# Altium PCB MotorDriverV2.PcbDoc (part 1 of 2) (continued)
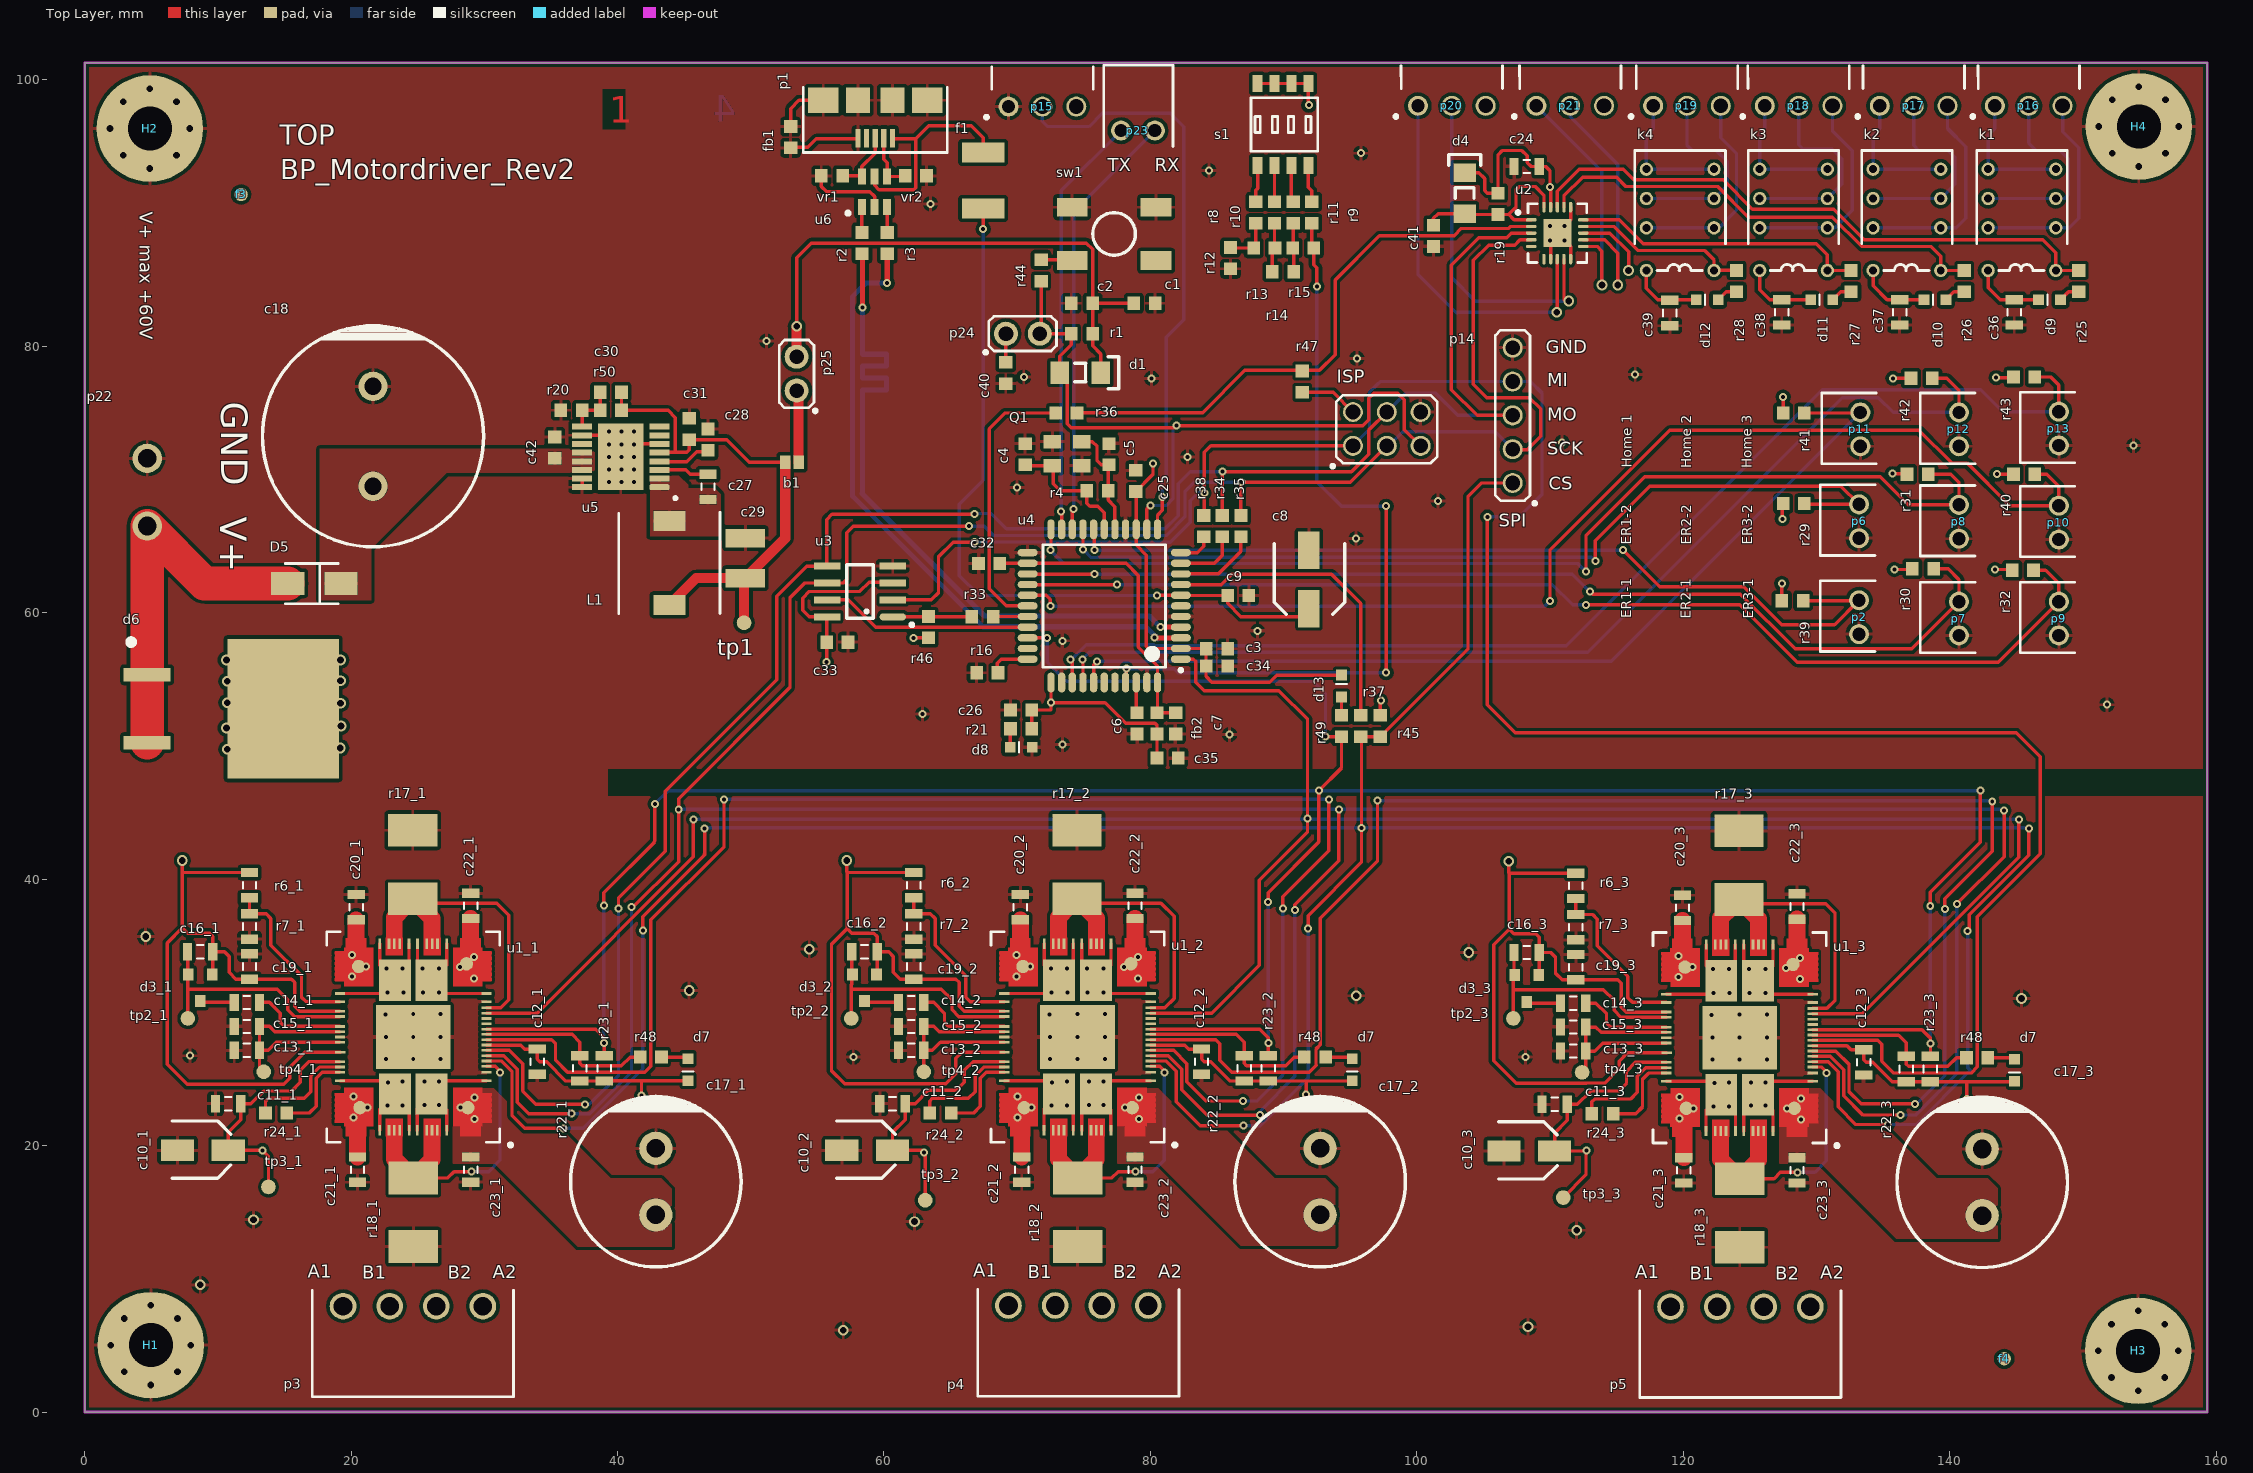
[diagram p0: Top Layer view]
## Components (designator, comment, footprint, x,y, rotation, side; value= is the part's Value field where it differs from the comment)
b1 "Solder Bridge" "Solder Bridge" 53.1,71.3 r0 top locked
c1 "100nF" 0603 79.564,83.237 r0 top locked
c2 "100nF" 0603 74.865,83.237 r180 top locked
c3 "1µF" 0603 85,57.3 r0 top locked
c4 "22pF" 0603 70.6,71.9 r90 top locked
c5 "22pF" 0603 76.9,71.9 r90 top locked
c6 "100nF" 0603 79,51.7 r90 top locked
c7 "100nF" 0603 81.9,51.7 r270 top locked
c8 "10u" Elco-C 91.9,62.5 r270 top locked
c9 "100nF" 0603 86.6,61.3 r0 top locked
c10_1 "22µ" Elco-B 8.88,19.65 r0 top locked (schematic designator c10)
c10_2 "22µ" Elco-B 58.746,19.65 r0 top locked (schematic designator c10)
c10_3 "22µ" Elco-B 108.446,19.6 r0 top locked (schematic designator c10)
c11_1 "100nF" 0805 10.78,23.15 r0 top locked (schematic designator c11)
c11_2 "100nF" 0805 60.646,23.15 r0 top locked (schematic designator c11)
c11_3 "100nF" 0805 110.346,23.1 r0 top locked (schematic designator c11)
c12_1 "100nF" 0805 33.98,26.3 r270 top locked (schematic designator c12)
c12_2 "100nF" 0805 83.846,26.3 r270 top locked (schematic designator c12)
c12_3 "100nF" 0805 133.546,26.25 r270 top locked (schematic designator c12)
c13_1 "100nF" 0805 12.18,27.15 r0 top locked (schematic designator c13)
c13_2 "100nF" 0805 62.046,27.15 r0 top locked (schematic designator c13)
c13_3 "100nF" 0805 111.746,27.1 r0 top locked (schematic designator c13)
c14_1 "47nF" 0805 12.18,30.75 r0 top locked (schematic designator c14)
c14_2 "47nF" 0805 62.046,30.75 r0 top locked (schematic designator c14)
c14_3 "47nF" 0805 111.746,30.7 r0 top locked (schematic designator c14)
c15_1 "470nF" 0805 12.18,28.95 r0 top locked (schematic designator c15)
c15_2 "470nF" 0805 62.046,28.95 r0 top locked (schematic designator c15)
c15_3 "470nF" 0805 111.746,28.9 r0 top locked (schematic designator c15)
c16_1 "470n" 0805 8.68,34.55 r0 top locked (schematic designator c16)
c16_2 "470n" 0805 58.546,34.55 r0 top locked (schematic designator c16)
c16_3 "470n" 0805 108.246,34.5 r0 top locked (schematic designator c16)
c17_1 "220µF 100V" "TH ELCO 12.5" 42.88,17.3 r270 top locked (schematic designator c17)
c17_2 "220µF 100V" "TH ELCO 12.5" 92.746,17.3 r270 top locked (schematic designator c17)
c17_3 "220µF 100V" "TH ELCO 12.5" 142.446,17.25 r270 top locked (schematic designator c17)
c18 "1000µF" "TH Elco 16" 21.65,73.25 r270 top locked
c19_1 "100nF" 0805 12.38,33.45 r270 top locked (schematic designator c19)
c19_2 "100nF" 0805 62.246,33.45 r270 top locked (schematic designator c19)
c19_3 "100nF" 0805 111.946,33.4 r270 top locked (schematic designator c19)
c20_1 "220n" 0805 20.38,37.9 r90 top locked (schematic designator c20)
c20_2 "220n" 0805 70.246,37.9 r90 top locked (schematic designator c20)
c20_3 "220n" 0805 119.946,37.85 r90 top locked (schematic designator c20)
c21_1 "220n" 0805 20.48,18.2 r270 top locked (schematic designator c21)
c21_2 "220n" 0805 70.346,18.2 r270 top locked (schematic designator c21)
c21_3 "220n" 0805 120.046,18.15 r270 top locked (schematic designator c21)
c22_1 "220n" 0805 28.98,38 r90 top locked (schematic designator c22)
c22_2 "220n" 0805 78.846,38 r90 top locked (schematic designator c22)
c22_3 "220n" 0805 128.546,37.95 r90 top locked (schematic designator c22)
c23_1 "220n" 0805 28.98,18.2 r270 top locked (schematic designator c23)
c23_2 "220n" 0805 78.846,18.2 r270 top locked (schematic designator c23)
c23_3 "220n" 0805 128.546,18.15 r270 top locked (schematic designator c23)
c24 "100nF" 0805 108.25,93.5 r180 top locked
c25 "100nF" 0603 78.9,69.9 r90 top locked
c26 "100nF" 0603 70.3,52.7 r180 top locked
c27 "0.47µF" 0805 46.8,69.45 r270 top locked
c28 "10µF" 0603 46.8,73 r270 top locked
c29 "100µF" 1210 49.6,64.1 r270 top locked
c30 "33pF" 0603 39.5,76.55 r0 top locked
c31 "10µF" 0603 45.4,73.8 r270 top locked
c32 "100nF" 0603 67.9,63.7 r180 top locked
c33 "100nF" 0603 56.5,57.8 r180 top locked
c34 "100nF" 0603 85,56 r0 top locked
c35 "100nF" 0603 81.3,49.1 r0 top locked
c36 "1µF" 0805 144.85,82.55 r90 top locked
c37 "1µF" 0805 136.25,82.55 r90 top locked
c38 "1µF" 0805 127.4,82.55 r90 top locked
c39 "1µF" 0805 119,82.5 r90 top locked
c40 "1µF" 0603 69.15,78 r90 top locked
c41 "100nF" 0603 101.25,88.3 r90 top locked
c42 "100n" 0603 35.3,72.4 r270 top locked
d1 "CD1206-S01575" "1206 - DIODE" 74.738,78.03 r180 top locked
d3_1 "BAS40-04" SOT23 8.68,31.85 r180 top locked (schematic designator d3)
d3_2 "BAS40-04" SOT23 58.546,31.85 r180 top locked (schematic designator d3)
d3_3 "BAS40-04" SOT23 108.246,31.8 r180 top locked (schematic designator d3)
d4 "CD1206-S01575" "1206 - DIODE" 103.6,91.5 r270 top locked
D5 "B260A-13-F" "DO-214AB (SMA)" 17.25,62.2 r180 top locked
d6 "NRVBB1060" "D²PAK 3" 9.794,52.8 r270 top locked
d7 "Yellow SMD LED" "0603 - LED" 144.866,25.65 r90 top
d7 "Yellow SMD LED" "0603 - LED" 95.166,25.7 r90 top
d7 "Yellow SMD LED" "0603 - LED" 45.3,25.7 r90 top locked
d8 "Green SMD LED" "0603 - LED" 70.3,49.9 r0 top locked
d9 "Yellow SMD LED" "0603 - LED" 147.5,83.5 r0 top locked
d10 "Yellow SMD LED" "0603 - LED" 138.9,83.5 r0 top locked
d11 "Yellow SMD LED" "0603 - LED" 130.4,83.5 r0 top locked
d12 "Yellow SMD LED" "0603 - LED" 121.8,83.5 r0 top locked
d13 "Yellow SMD LED" "0603 - LED" 94.35,54.5 r270 top locked
f1 "Fuse 500mA" "PTC Fuses" 67.45,92.45 r270 top locked
f3 "Fiducial" FIDUCIAL#1 5.2,96.25 r0 top
f4 "Fiducial" FIDUCIAL#2 139.65,-2 r0 top
fb1 "0603 Ferrite Bead" 0603 53,95.7 r90 top locked
fb2 "0603 Ferrite Bead" 0603 80.5,51.7 r90 top locked
H1 "Mounting Hole" "Mounting Hole" 4.973,5.027 r0 top
H2 "Mounting Hole" "Mounting Hole" 4.9,96.35 r0 top
H3 "Mounting Hole" "Mounting Hole" 154.15,4.6 r0 top
H4 "Mounting Hole" "Mounting Hole" 154.2,96.5 r0 top
ISP "TC2030-MCP-NL" 2x3-HeaderPin 97.75,73.8 r180 top locked
k1 "IMxxTS" THT-8 145.43,89.497 r90 top locked
k2 "IMxxTS" THT-8 136.794,89.497 r90 top locked
k3 "IMxxTS" THT-8 128.285,89.497 r90 top locked
k4 "IMxxTS" THT-8 119.776,89.497 r90 top locked
L1 "18µH" "SMD Inductor 7.4x7.4" 43.9,63.75 r270 top locked
p1 "Micro USB Type B" "Micro USB Type B" 59.35,97.05 r180 top
p2 "Wire-to-Board 2P" WtB-F-2p_V 133.2,58.4 r90 top locked
p3 "4 contact" WtB-F-4p 24.65,7.95 r180 top locked
p4 "4 contact" WtB-F-4p 74.6,8 r180 top locked
p5 "4 contact" WtB-F-4p 124.3,7.9 r180 top locked
p6 "Wire-to-Board 2P" WtB-F-2p_V 133.2,65.6 r90 top locked
p7 "Wire-to-Board 2P" WtB-F-2p_V 140.7,58.3 r90 top locked
p8 "Wire-to-Board 2P" WtB-F-2p_V 140.7,65.56 r90 top locked
p9 "Wire-to-Board 2P" WtB-F-2p_V 148.2,58.3 r90 top locked
p10 "Wire-to-Board 2P" WtB-F-2p_V 148.2,65.5 r90 top locked
p11 "Wire-to-Board 2P" WtB-F-2p_V 133.3,72.5 r90 top locked
p12 "Wire-to-Board 2P" WtB-F-2p_V 140.7,72.5 r90 top locked
p13 "Wire-to-Board 2P" WtB-F-2p_V 148.2,72.56 r90 top locked
p14 "SPI" 1x5-HeaderPin 107.2,74.82 r270 top
p15 "Servo Port" "1X3 Headerpin Angled" 71.9,98 r180 top locked
p16 "Wire-to-Board 3P" "1X3 Headerpin Angled" 145.938,98.055 r180 top locked
p17 "Wire-to-Board 3P" "1X3 Headerpin Angled" 137.302,98.055 r180 top locked
p18 "Wire-to-Board 3P" "1X3 Headerpin Angled" 128.666,98.055 r180 top locked
p19 "Wire-to-Board 3P" "1X3 Headerpin Angled" 120.284,98.055 r180 top locked
p20 "Wire-to-Board 3P" "1X3 Headerpin Angled" 102.631,98.055 r180 top locked
p21 "Wire-to-Board 3P" "1X3 Headerpin Angled" 111.521,98.055 r180 top locked
p22 "MKDSN 1.5" SCREWWTB-2 4.7,69.05 r90 top locked
p23 "Wire-to-Board 2P" WtB-F-2p 77.8,96.2 r0 top locked
p24 "2 Pin Header" 1x2-HeaderPin 70.43,80.95 r180 top locked
p25 "Current Measurement" 1x2-HeaderPin 53.45,77.95 r270 top
Q1 "Crystal 16MHz, 3.2x2.5mm" X32 73.748,71.948 r180 top locked
r1 "10k" 0603 74.865,80.951 r0 top locked
r2 "22R" 0603 58.35,87.75 r270 top locked
r3 "22R" 0603 60.25,87.75 r270 top locked
r4 "1M" 0603 76.034,69.154 r0 top locked
r6_1 "27k" 0805 12.38,39.55 r90 top locked (schematic designator r6)
r6_2 "27k" 0805 62.246,39.55 r90 top locked (schematic designator r6)
r6_3 "27k" 0805 111.946,39.5 r90 top locked (schematic designator r6)
r7_1 "1k8" 0805 12.38,36.45 r90 top locked (schematic designator r7)
r7_2 "1k8" 0805 62.246,36.45 r90 top locked (schematic designator r7)
r7_3 "1k8" 0805 111.946,36.4 r90 top locked (schematic designator r7)
r8 "1k" 0603 87.924,90.051 r90 top locked
r9 "1k" 0603 92.115,90.051 r90 top locked
r10 "1k" 0603 89.321,90.051 r90 top locked
r11 "1k" 0603 90.718,90.051 r90 top locked
r12 "1k" 0603 86.019,86.622 r270 top locked
r13 "520R" 0603 88.559,87.384 r180 top locked
r14 "520R" 0603 89.956,85.606 r180 top locked
r15 "520R" 0603 91.48,87.384 r180 top locked
r16 "10k" 0603 67.76,55.5 r0 top locked
r17_1 "0R1" 2512 24.63,41.1 r270 top locked (schematic designator r17)
r17_2 "0R1" 2512 74.496,41.1 r270 top locked (schematic designator r17)
r17_3 "0R1" 2512 124.196,41.05 r270 top locked (schematic designator r17)
r18_1 "0R1" 2512 24.68,15 r90 top locked (schematic designator r18)
r18_2 "0R1" 2512 74.546,15 r90 top locked (schematic designator r18)
r18_3 "0R1" 2512 124.246,14.95 r90 top locked (schematic designator r18)
r19 "10k" 0603 106.1,90.7 r90 top locked
r20 "442k" 0603 36.55,75.2 r0 top locked
r21 "330R" 0603 70.3,51.3 r0 top locked
r22_1 "39k" 0805 37.18,25.8 r90 top locked (schematic designator r22)
r22_2 "39k" 0805 87.046,25.8 r90 top locked (schematic designator r22)
r22_3 "39k" 0805 136.746,25.75 r90 top locked (schematic designator r22)
r23_1 "39k" 0805 39,25.8 r90 top locked (schematic designator r23)
r23_2 "39k" 0805 88.846,25.8 r90 top locked (schematic designator r23)
r23_3 "39k" 0805 138.546,25.75 r90 top locked (schematic designator r23)
r24_1 "NP" 0603 14.38,22.45 r180 top locked (schematic designator r24)
r24_2 "NP" 0603 64.246,22.45 r180 top locked (schematic designator r24)
r24_3 "NP" 0603 113.946,22.4 r180 top locked (schematic designator r24)
r25 "220R" 0603 149.7,84.9 r90 top locked
r26 "220R" 0603 141.1,84.9 r90 top locked
r27 "220R" 0603 132.6,84.9 r90 top locked
r28 "220R" 0603 124,84.9 r90 top locked
r29 "10k" 0603 128.3,68.2 r180 top locked
r30 "10k" 0603 138,63.3 r180 top locked
r31 "10k" 0603 137.6,70.4 r180 top locked
r32 "10k" 0603 145.5,63.2 r180 top locked
r33 "47R" 0603 67.4,59.7 r0 top locked
r34 "47R" 0603 85.4,66.5 r270 top locked
r35 "47R" 0603 86.8,66.5 r270 top locked
r36 "47R" 0603 73.7,75 r180 top locked
r37 "47R" 0603 95.8,51.5 r90 top locked
r38 "47R" 0603 84,66.5 r270 top locked
r39 "10k" 0603 128.2,60.9 r180 top locked
r40 "10k" 0603 145.6,70.4 r180 top locked
r41 "10k" 0603 128.3,75 r180 top locked
r42 "10k" 0603 137.9,77.6 r180 top locked
r43 "10k" 0603 145.6,77.7 r180 top locked
r44 "47R" 0603 71.8,85.7 r270 top locked
r45 "10k" 0603 97.25,51.5 r90 top locked
r46 "10k" 0603 63.35,58.918 r270 top locked
r47 "10k" 0603 91.4,77.35 r270 top locked
r48 "330R" 0603 142.066,26.6 r0 top
r48 "330R" 0603 92.366,26.65 r0 top
r48 "330R" 0603 42.5,26.65 r0 top locked
r49 "330R" 0603 94.35,51.5 r270 top locked
r50 "1M" 0603 39.5,75.2 r180 top locked
s1 "MCDHN-04F-T-V" Dipswitch-4 89.956,96.655 r0 top locked
sw1 "MCDTSJW-6" MCDTSJW6 77.278,88.444 r180 top locked
tp1 "Test Point" "Test Point" 49.5,59.25 r0 top locked
tp2_1 "Test Point" "Test Point" 7.75,29.55 r90 top (schematic designator tp2)
tp2_2 "Test Point" "Test Point" 57.55,29.55 r90 top (schematic designator tp2)
tp2_3 "Test Point" "Test Point" 107.25,29.55 r90 top (schematic designator tp2)
tp3_1 "Test Point" "Test Point" 13.8,16.9 r90 top (schematic designator tp3)
tp3_2 "Test Point" "Test Point" 63.1,15.9 r90 top (schematic designator tp3)
tp3_3 "Test Point" "Test Point" 111,16.1 r90 top (schematic designator tp3)
tp4_1 "Test Point" "Test Point" 13.45,25.55 r90 top (schematic designator tp4)
tp4_2 "Test Point" "Test Point" 63,25.55 r90 top (schematic designator tp4)
tp4_3 "Test Point" "Test Point" 112.407,25.5 r90 top (schematic designator tp4)
u1_1 "powerSTEP01" VFQFPN 24.67,28.15 r180 top locked (schematic designator u1)
u1_2 "powerSTEP01" VFQFPN 74.536,28.15 r180 top locked (schematic designator u1)
u1_3 "powerSTEP01" VFQFPN 124.236,28.1 r180 top locked (schematic designator u1)
u2 "MAX4820ETP" TQFN-20 110.55,88.5 r90 top locked
u3 "256-Kbit F-RAM" SOIC8N 58.2,61.6 r90 top locked
u4 "ATMega32U4" TQFP-44 76.542,60.518 r180 top locked
u5 "LM46001" PWP0016G 40.25,71.7 r180 top locked
u6 "USBLC6-2SC6" SOT23-6 59.3,91.6 r0 top locked
vr1 "CG0603MLC-05E" 0603 56.1,92.8 r0 top locked
vr2 "CG0603MLC-05E" 0603 62.4,92.8 r180 top locked

## Footprints (in the part's own frame and the unit in brackets; to place one, negate y for a bottom-side part, rotate by r counter-clockwise, add the part's x,y. Pads: shape width x height; smd on the part's side, far side on the other; paste and mask are expansions set on the pad)
1x2-HeaderPin [mm] "1x2 Header Pin"
  round 1.8 hole 1.1: 1(1.27,0) 2(-1.27,0)
  silkscreen extent -2.53,-1.3 2.92,1.52, body extent -2.57,-1.3 2.51,1.24, height 5.94
"1X3 Headerpin Angled" [mm]
  round 1.5 hole 1: 1(2.54,0)
  round 1.5 hole 1.1: 2(0,0) 3(-2.54,0)
  silkscreen extent -3.81,-3 4.33,0.93, body extent -3.81,-10.69 3.81,0.36, height 5.97
1x5-HeaderPin [mm] "1x5 Header Pin"
  round 1.5 hole 1.1: 1(5.08,0) 2(2.54,0) 3(0,0) 4(-2.54,0) 5(-5.08,0)
  silkscreen extent -6.4,-1.3 6.73,1.78, body extent -6.35,-1.24 6.35,1.3, height 5.94
2x3-HeaderPin [mm] "2x3 Header Pin"
  round 1.5 hole 1.1: 1(2.54,1.27) 2(2.54,-1.27) 3(0,1.27) 4(0,-1.27) 5(-2.54,1.27) 6(-2.54,-1.27)
  silkscreen extent -3.8,-2.54 4.19,2.92, body extent -3.74,-2.5 3.88,2.58, height 5.94
0603 [mm] "Generic package"
  rect 0.95x1 smd: 1(-0.8,0) 2(0.8,0)
  body extent -0.8,-0.43 0.8,0.43, height 0.83
"0603 - LED" [mm] "Generic Package with marking"
  rect 0.8x0.8 smd: 1(-0.825,0) 2(0.825,0)
  silkscreen extent -0.15,-0.4 -0.15,0.4, body extent -0.82,-0.4 0.78,0.4, height 0.6
0805 [mm] "Generic Package"
  rect 0.7x1.3 smd: 1(-0.95,0) 2(0.95,0)
  silkscreen extent -0.25,-0.5 0.25,0.5, body extent -1,-0.63 1,0.63, height 0.43
"1206 - DIODE" [mm] "Generic Package"
  rect 1.4x1.7 smd: 1(-1.537,0) 2(1.537,0)
  silkscreen extent -2.9,-1.2 0.4,1.2, body extent -1.6,-0.83 1.6,0.83, height 0.53
1210 [mm]
  rect 1.4x2.95 smd: 1(-1.5,0) 2(1.5,0)
  body extent -1.6,-1.25 1.6,1.25, height 1
2512 [mm]
  rect 2.45x3.7 smd: 1(-2.575,0) 2(2.575,0)
  body extent -3.17,-1.63 3.18,1.63, height 0.58
Dipswitch-4 [mm] "pitch 1.27x6.15"
  rect 0.76x1.25 smd: 1(-1.905,-3.075) 2(-0.635,-3.075) 3(0.635,-3.075) 4(1.905,-3.075) 5(1.905,3.075) 6(0.635,3.075) 7(-0.635,3.075) 8(-1.905,3.075)
  silkscreen extent -2.4,-2 2.6,2, body extent -3.11,-3.49 3.2,3.49, height 1.5
"DO-214AB (SMA)" [mm]
  rect 2.5x1.7 smd: 1(-2,0) 2(2,0)
  silkscreen extent -1.8,-1.5 2.2,1.53, body extent -2.5,-1.35 2.5,1.35, height 2.28
"D²PAK 3" [mm]
  rect 1.016x3.504 smd: 1(-2.54,-5.107) 3(2.54,-5.107)
  rect 10.49x8.38 smd: 4(0,5.106)
  silkscreen extent -5.32,-6.62 -4.68,-5.98, body extent -5.08,-6.32 5.08,8.95, height 4.88
Elco-B [mm] "SMD Electrolytic Capacitor-Size B-Pitch 1mm-4.3mm x 5.4mm"
  rect 2.5x1.6 smd: 1(-1.9,0) 2(1.9,0)
  silkscreen extent -2.3,-2.1 2.1,2.2, body extent -2.55,-2.1 2.45,2.2, height 6.42
Elco-C [mm] "SMD Electrolytic Capacitor-Size B-Pitch 1mm-5.3mm x 5.4mm"
  rect 2.8x1.6 smd: 1(-2.2,0) 2(2.2,0)
  silkscreen extent -2.7,-2.6 2.6,2.7, body extent -2.95,-2.65 2.95,2.65, height 5.41
FIDUCIAL#1 [mm]
  round 1 smd paste+0 mask+0.5: 0(6.55,-4.85)
FIDUCIAL#2 [mm]
  round 1 smd paste+0 mask+0.5: 0(4.45,6)
MCDTSJW6 [mm] "SMD Push Switch"
  rect 2.3x1.4 smd: 1(-3.15,2) 2(3.15,2) 3(-3.15,-2) 4(3.15,-2)
  silkscreen extent -1.6,-1.6 1.6,1.6, body extent -4,-3.25 4,3.25, height 4.3
"Micro USB Type B" [mm]
  rect 0.4x1.4 smd: 1(-1.3,1.425) 2(-0.65,1.425) 3(0,1.425) 4(0.65,1.425) 5(1.3,1.425)
  rect 2.3x1.9 smd: 6(-3.9,-1.425) 6(3.9,-1.425)
  rect 1.8x1.9 smd: 6(-1.3,-1.425) 6(1.3,-1.425)
  silkscreen extent -5.4,-2.4 5.4,2.5, body extent -3.99,-3.88 3.99,1.55, height 2.72
"Mounting Hole" [mm]
  round 8 hole 3.3: 0(0,0)
"PTC Fuses" [mm]
  rect 1.5x3.2 smd: 1(-2.1,0) 2(2.1,0)
  body extent -2.2,-1.5 2.2,1.5, height 0.85
PWP0016G [mm] "PowerPAD TSSOP 16"
  rrect50% 1.5x0.45 smd: 1(-2.9,2.275)
  rect 1.5x0.45 smd: 2(-2.9,1.625) 3(-2.9,0.975) 4(-2.9,0.325) 5(-2.9,-0.325) 6(-2.9,-0.975) 7(-2.9,-1.625) 8(-2.9,-2.275) 9(2.9,-2.275) 10(2.9,-1.625) 11(2.9,-0.975) 12(2.9,-0.325) 13(2.9,0.325) 14(2.9,0.975) 15(2.9,1.625) 16(2.9,2.275)
  rect 3.4x5 smd mask-0.65: 17(0,0)
  silkscreen extent -4.2,3 -4,3.2, body extent -3.25,-2.55 3.25,2.55, height 1.06
SCREWWTB-2 [mm]
  round 2.2 hole 1.4: 1(-2.54,0) 2(2.54,0)
  body extent -5.07,-4.8 5.67,4.7, height 15
"SMD Inductor 7.4x7.4" [mm]
  rect 1.5x2.4 smd: 1(-3.15,0) 2(3.15,0)
  silkscreen extent -3.8,-3.8 3.8,3.8, body extent -3.65,-3.65 3.65,3.65, height 3.5
SOIC8N [mm] "SOIC8 Package, 127 Pitch, 390x490 Dimensions"
  oval 0.53x1.98 smd: 1(-1.905,-2.465)
  rect 0.53x1.98 smd: 2(-0.635,-2.465) 3(0.635,-2.465) 4(1.905,-2.465) 5(1.905,2.465) 6(0.635,2.465) 7(-0.635,2.465) 8(-1.905,2.465)
  silkscreen extent -2.6,-4 2,1, body extent -2.4,-3 2.5,3, height 1.7
"Solder Bridge" [mm]
  rect 0.8x1 smd: 1(-0.5,0) 2(0.5,0)
SOT23 [mm]
  rect 0.8x0.9 smd: 1(-0.9,-1) 2(0,1) 3(0.9,-1)
  body extent -1.5,-1.25 1.5,1.25, height 1.07
SOT23-6 [mm]
  rect 0.6x1.2 smd: 1(-0.95,-1.15) 2(0,-1.15) 3(0.95,-1.15) 4(0.95,1.15) 5(0,1.15) 6(-0.95,1.15)
  silkscreen extent -2.14,-1.74 -1.86,-1.46, body extent -1.47,-1.08 1.43,1.32, height 1
"Test Point" [mm]
  round 1.1 smd paste+0 mask+0: 1(0,0)
"TH ELCO 12.5" [mm] "D=12.5mm"
  round 2.5 hole 1.4: 1(-2.5,0) 2(2.5,0)
  silkscreen extent -6.4,-6.4 6.4,6.4, body extent -6.25,-6.25 6.25,6.25, height 25
"TH Elco 16" [mm] "D=16mm"
  round 2.2 hole 1.3: 1(-3.75,0) 2(3.75,0)
  silkscreen extent -8.3,-8.3 8.3,8.3, body extent -8,-8 8,8, height 35.5
THT-8 [mm]
  round 1 hole 0.6: 1(-3.8,-2.54) 2(-0.6,-2.54) 3(1.6,-2.54) 4(3.8,-2.54) 5(3.8,2.54) 6(1.6,2.54) 7(-0.6,2.54) 8(-3.8,2.54)
  silkscreen extent -3.8,-3.4 5.2,3.4, body extent -5,-3 5,3, height 5.8
TQFN-20 [mm] "QFN, 20-Leads, Body 4,00x4,00mm, Pitch 0,50mm, Thermal Pad 2,10x2,10mm, IPC Medium Density"
  oval 0.25x0.8 smd: 1(1,1.95) 2(0.5,1.95) 3(0,1.95) 4(-0.5,1.95) 5(-1,1.95) 11(-1,-1.95) 12(-0.5,-1.95) 13(0,-1.95) 14(0.5,-1.95) 15(1,-1.95)
  oval 0.8x0.25 smd: 6(-1.95,1) 7(-1.95,0.5) 8(-1.95,0) 9(-1.95,-0.5) 10(-1.95,-1) 16(1.95,-1) 17(1.95,-0.5) 18(1.95,0) 19(1.95,0.5) 20(1.95,1)
  rect 2.1x2.1 smd: 21(0,0)
  silkscreen extent -2.2,-2.2 2.2,3.07, body extent -2.05,-2.05 2.05,2.05, height 0.8
TQFP-44 [mm] "TQFP-44 pin, 127Pitch, 600-8N"
  oval 1.5x0.55 smd: 1(-5.75,4) 2(-5.75,3.2) 3(-5.75,2.4) 4(-5.75,1.6) 5(-5.75,0.8) 6(-5.75,0) 7(-5.75,-0.8) 8(-5.75,-1.6) 9(-5.75,-2.4) 10(-5.75,-3.2) 11(-5.75,-4) 23(5.75,-4) 24(5.75,-3.2) 25(5.75,-2.4) 26(5.75,-1.6) 27(5.75,-0.8) 28(5.75,0) 29(5.75,0.8) 30(5.75,1.6) 31(5.75,2.4) 32(5.75,3.2) 33(5.75,4)